# Allegro board RK3588_Template_LP4XD200P232SD10_32R6X52R0_2133MHz_H0R80_V10_20230220.brd (continued)
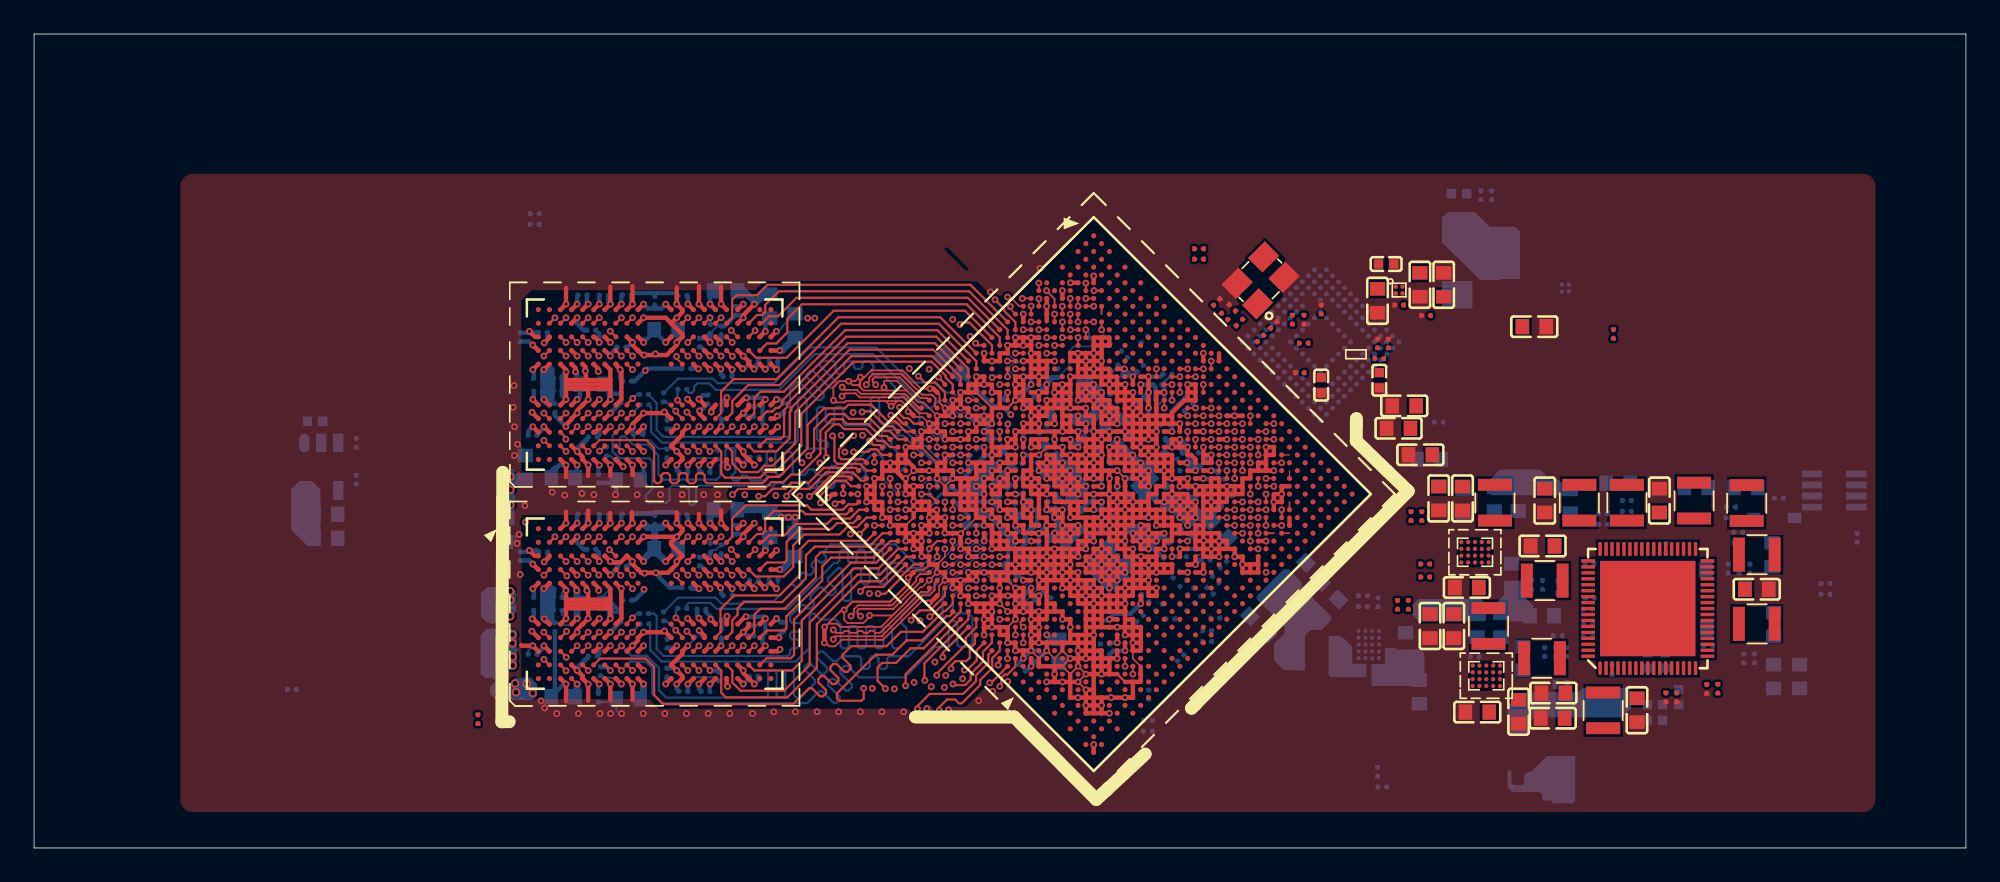
[diagram p0: board, top side]
## Routing (per net, layer and track width the routed paths; a pad name or vN(x,y) marks a point on that pad's centre or on a via; arc(x,y) is an arc through that point) (continued)
DDR_CH1_LP4/4X_CS1_D: length 20.1
  TOP w0.127: U1000.D19 56.28,27.68 v1(56.23,27.62) ; U3801.R3 v1(39.02,24.74)
  L4-S1 w0.094: v1(56.23,27.62) 56.23,27.61 55.68,27.61 54.24,26.16 53.59,25.52 53.33,25.52 53.13,25.72 52.32,25.72 51.51,24.91 45.09,24.91 44.26,24.07 39.69,24.07 v1(39.02,24.74)
DDR_RESET: length 65.5
  TOP w0.127: U3800.T11 v1(39.67,18.27) ; U3801.T11 v1(39.67,31.14) ; U1000.T4 v1(54.84,15.27)
  L6-S2 w0.089: 51.42,12.55 52.41,12.55 53.76,13.9 53.76,14.63 54.25,15.12 54.26,15.12 54.41,15.27 v1(54.84,15.27)
  L6-S2 w0.094: v1(39.67,31.14) 39.25,31.56 31.09,31.56 30.8,31.85 30.01,31.85 28.58,30.43 28.58,24.16 28.9,23.84 28.9,20.89 30.31,19.48 39.22,19.48 39.35,19.34 39.35,18.72 39.67,18.4 v1(39.67,18.27) 38.88,17.48 37.77,17.48 37.39,17.11 37.39,16.14 37.38,16.13 37.38,15.88 38.01,15.26 38.01,12.6 38.06,12.55 38.06,10.26 38.26,10.05 41.75,10.05 42.34,10.64 47.06,10.64 48.97,12.55 51.42,12.55
  BOTTOM w0.127: C3844.1 39.69,18.25 v1(39.67,18.27) ; v1(39.67,31.14) 39.69,31.12 C3888.1
EXT5V_PWREN_H: length 0.5
  TOP w0.084: U1000.AK26 v1(71.84,18.48)
EXT_FUNC_CTRL1: length 0.5
  TOP w0.102: 72.76,18.48 U1000.AL26
EXT_FUNC_CTRL2: length 0.5
  TOP w0.089: U1000.AJ26 71.84,19.4 v1(71.84,19.4)
EXT_FUNC_CTRL3: length 0.5
  TOP w0.102: v1(72.3,19.86) U1000.AJ27
EXT_FUNC_IO1: length 0.5
  TOP w0.102: U1000.AJ28 v1(72.3,20.78)
EXT_FUNC_IO2: length 0.5
  TOP w0.089: U1000.AJ25 v1(71.39,18.94)
FAN_N: length 0.5
  TOP w0.089: U1000.AL24 v1(71.84,17.56)
GAUGE_ALRT: length 0.5
  TOP w0.102: U1000.AE31 v1(71.84,23.08)
I2C0_SCL_M2: length 0.5
  TOP w0.102: U1000.W30 v1(69.09,25.84)
I2C0_SDA_M2: length 0.5
  TOP w0.102: U1000.W29 v1(68.63,25.38)
I2C1_SCL_M2: length 0.8
  TOP w0.102: U1000.V29 v1(68.17,25.84)
  BOTTOM w0.089: v1(68.17,25.84) 67.97,26.03 R3828.2
I2C1_SDA_M2: length 0.8
  TOP w0.102: U1000.V28 v1(67.71,25.38)
  BOTTOM w0.089: 67.52,25.68 67.52,25.57 v1(67.71,25.38)
I2C2_SCL_M4_MIPI: length 1.1
  TOP w0.089: v1(57.14,32.35) 57.29,32.35 57.83,31.81 U1000.A25
I2C2_SDA_M4_MIPI: length 0.6
  TOP w0.089: v1(57.3,31.8) 57.3,31.65 57.59,31.35
I2C3_SCL_M0: length 1
  TOP w0.102: v1(61.73,30.43) U1000.G27
  BOTTOM w0.089: v1(61.73,30.43) 61.91,30.26 R3840.2
I2C3_SDA_M0: length 1
  TOP w0.102: U1000.G29 v1(62.65,30.43)
  BOTTOM w0.089: R3839.2 62.77,30.31 v1(62.65,30.43)
I2C4_SCL_M1: length 0.5
  TOP w0.084: U1000.AB30 v1(70.46,24.46)
I2C4_SDA_M1: length 0.5
  TOP w0.084: U1000.AB31 v1(70.92,24.92)
I2C5_SCL_M0_MIPI: length 0.5
  TOP w0.089: U1000.AJ24 v1(70.93,18.48)
I2C5_SDA_M0_MIPI: length 0.5
  TOP w0.089: U1000.AH24 v1(70.46,18.94)
I2C6_SDA_M0: length 0.5
  TOP w0.102: U1000.V31 68.63,27.22 v1(68.63,27.22)
I2C7_SCL_M0: length 0.5
  TOP w0.089: U1000.F26 v1(60.35,29.97)
I2C7_SDA_M0: length 0.4
  TOP w0.089: U1000.F27 v1(60.82,30.43)
I2C8_SCL_M1: length 0.5
  TOP w0.102: U1000.AE32 v1(72.76,24)
I2S0_LRCK: length 0.4
  TOP w0.102: U1000.D30 v1(61.73,33.17)
I2S0_MCLK: length 0.5
  TOP w0.089: 62.65,31.81 U1000.F30
  TOP w0.102: 62.65,31.35 62.65,31.81
I2S0_SCLK: length 0.4
  TOP w0.102: v1(62.21,32.73) U1000.E31
I2S0_SDI0: length 0.5
  TOP w0.102: 60.81,31.81 v1(60.81,32.27)
I2S0_SDO0: length 0.5
  TOP w0.102: U1000.E29 v1(62.19,31.81)
I2S2_SCLK_M0_BT: length 0
  TOP w0.089: U1000.AD34 72.76,25.38
I2S2_SDI_M0_BT: length 0.5
  TOP w0.089: U1000.AD30 v1(71.38,23.54)
IMU_CLK: length 0.5
  TOP w0.102: U1000.E28 v1(61.27,30.89)
LCD_BL_PWM1: length 0.5
  TOP w0.102: U1000.R30 v1(67.25,27.68)
LCD_BL_PWM2: length 0.5
  TOP w0.102: v1(66.33,25.83) 66.33,25.98 U1000.T28
LCD_ID1: length 0.5
  TOP w0.102: v1(70.92,19.4) U1000.AH25
LCD_ID2: length 0.5
  TOP w0.102: U1000.AG26 v1(70.92,20.32)
MIPI_CAM0_PWREN_H: length 0.5
  TOP w0.102: v1(58.97,30.43) U1000.D25
MIPI_CAM1/2_RESET_L: length 0.5
  TOP w0.102: v1(58,32.27) U1000.A26
MIPI_CAM1_CLKOUT: length 0.5
  TOP w0.102: U1000.E26 v1(60.35,30.89)
MIPI_CAM1_PDN_L: length 0.5
  TOP w0.102: 58.97,30.89 U1000.C25 v1(58.51,30.89)
MIPI_CAM1_PWREN_H: length 0.5
  TOP w0.102: U1000.D26 v1(59.89,31.35)
MIPI_CAM2_CLKOUT: length 0.5
  TOP w0.102: 60.81,30.89 v1(60.81,31.35)
MIPI_CAM2_PDN_L: length 1.1
  TOP w0.102: v1(59.42,32.73) 59.4,32.73 59.4,32.73 59.89,32.25 U1000.C27
MIPI_CAM3/4_RESET_L: length 0.5
  TOP w0.084: U1000.AD33 v1(72.76,24.92)
MIPI_CAM3_CLKOUT: length 0.5
  TOP w0.102: U1000.F24 v1(59.43,29.05)
MIPI_CAM4_CLKOUT: length 0.5
  TOP w0.102: v1(59.89,29.51) U1000.F25
MIPI_CSI1_RX_CLK0P: length 0.5
  TOP w0.069: U1000.AJ31 73.68,22.16
MIPI_CSI1_RX_D0N: length 0.5
  TOP w0.069: U1000.AG32 73.68,23.08
MIPI_CSI1_RX_D0P: length 0.5
  TOP w0.069: U1000.AG31 v1(73.22,22.62)
MIPI_RST1_L: length 0.5
  TOP w0.102: U1000.Y29 68.63,24.92 v1(69.09,24.92)
MIPI_RST2_L: length 0.5
  TOP w0.102: U1000.Y27 v1(67.71,24.46)
MIPI_TE2: length 0.5
  TOP w0.102: U1000.Y30 v1(69.54,25.38)
NRF52832_GPIO6: length 0.5
  TOP w0.102: v1(58.51,31.82) U1000.B25
NRF52832_GPIO11: length 0.4
  TOP w0.084: U1000.B26 58.97,32.25 v1(58.97,32.25)
PCIEX1_0_CLKREQN_M2_L: length 0.5
  TOP w0.102: v1(59.43,29.97) U1000.E25
PCIEX1_0_PERSTN_M2_L: length 0.5
  TOP w0.102: U1000.E24 v1(58.97,29.51)
PCIEX1_0_WAKEN_M2_L: length 0.5
  TOP w0.102: U1000.D27 v1(60.35,31.81)
PDM0_CLK0_M0: length 0.5
  TOP w0.102: v1(61.27,31.81) 61.27,32.27 U1000.D29
PDM0_CLK1_M0: length 0.5
  TOP w0.089: U1000.E30 61.73,32.27
  TOP w0.102: 61.73,32.27 v1(61.73,32.27)
PDM0_SDI0_M0: length 0.5
  TOP w0.089: 61.27,29.51 v1(61.27,29.97)
PDM0_SDI2_M0: length 0.5
  TOP w0.089: U1000.F28 v1(62.19,30.89)
PMIC_PWR_CTRL2: length 0.5
  TOP w0.102: U1000.T30 v1(67.25,26.75)
PMIC_PWR_CTRL3: length 0.5
  TOP w0.102: U1000.T32 v1(68.63,28.13)
PRO_INT_N: length 0.5
  TOP w0.084: U1000.AC32 v1(71.38,25.38)
PWM1_M1: length 0.5
  TOP w0.089: U1000.AK25 v1(71.38,18.02)
RETURN_C: length 0.4
  TOP w0.102: v1(58.97,33.17) U1000.A27 58.97,32.73
SID_LD: length 0.5
  TOP w0.089: U1000.AA28 68.63,24
  TOP w0.102: 68.63,24 v1(69.09,24)
SID_LU: length 0.5
  TOP w0.102: 70.92,22.62 v1(70.92,22.16)
SID_RD: length 0.5
  TOP w0.089: v1(72.76,21.24) U1000.AH29
SID_RU: length 0.5
  TOP w0.089: U1000.AG28 v1(71.38,20.78)
SPI0_CLK_M3: length 0.5
  TOP w0.089: 69.54,19.4 v1(70,19.4)
SPI0_CS0_M3: length 0.5
  TOP w0.089: U1000.AA27 v1(68.17,24)
SPI0_MOSI_M3: length 0.5
  TOP w0.089: 70,19.86 v1(70.46,19.86)
SPI4_CLK_M1: length 0.5
  TOP w0.089: 69.54,22.16 v1(69.54,22.62)
SPI4_CS0_M1: length 0.5
  TOP w0.089: U1000.AE27 v1(70,22.16)
SPI4_MISO_M1: length 0.5
  TOP w0.089: 69.09,24.46 U1000.AA29
  TOP w0.102: v1(69.54,24.46) 69.09,24.46 U1000.AA29
SPI4_MOSI_M1: length 0.5
  TOP w0.102: U1000.AA30 v1(70,24.92)
SPK_CTL_H: length 0.5
  TOP w0.089: U1000.AD32 v1(72.3,24.46)
TYPEC0_SBU1_DC: length 0.5
  TOP w0.089: U1000.AL27 v1(73.22,18.94)
TYPEC0_SBU2_DC: length 0.5
  TOP w0.089: U1000.AM27 73.68,18.48
TYPEC1_OTG_DM: length 0.5
  TOP w0.102: U1000.AL9 v1(64.49,10.21)
TYPEC1_OTG_DP: length 0.5
  TOP w0.102: U1000.AK9 v1(64.03,10.67)
UART0_RX_M2: length 0.5
  TOP w0.102: v1(73.22,19.86) U1000.AL28
UART0_TX_M2: length 0.5
  TOP w0.089: 73.68,19.86 73.68,20.32
UART2_RX_M0_DEBUG: length 0.5
  TOP w0.102: U1000.R29 66.79,27.22 v1(66.79,27.22)
UART2_TX_M0_DEBUG: length 0.5
  TOP w0.102: U1000.P29 v1(65.87,28.13)
UART9_RX_M0_BT: length 0.5
  TOP w0.089: U1000.AC30 v1(70.92,24)
UART9_TX_M0_BT: length 0.5
  TOP w0.089: U1000.AD31 v1(71.84,24)
VSYNC_SLAVE: length 0.5
  TOP w0.102: v1(58.05,30.43) U1000.C24 58.51,30.43
WIFI_REG_ON_H: length 0.5
  TOP w0.102: v1(68.17,27.67) 67.71,27.67 U1000.T31
N18110066: length 0.8
  TOP w0.089: U1000.AF20 v1(67.7,18.02)
  BOTTOM w0.089: C3988.1 67.96,18.28 v1(67.7,18.02)
N18110122: length 0.8
  TOP w0.089: U1000.AF19 v1(66.79,17.1)
  BOTTOM w0.089: C3989.1 66.79,17.11 v1(66.79,17.1)
N19366700: length 1
  TOP w0.089: U1000.G8 v1(52.54,21.24)
  BOTTOM w0.089: R1202.1 52.54,20.77 v1(52.54,21.24)
N23213062: length 1
  TOP w0.127: U1000.F18 v1(57.14,26.76)
  BOTTOM w0.089: R1203.1 56.94,26.31
  BOTTOM w0.254: v1(57.14,26.76) 57.14,26.63 56.94,26.44 R1203.1
N24141374: length 1.6
  TOP w0.119: U1000.H7 52.54,20.78 v1(52.08,20.78)
  BOTTOM w0.084: v1(52.08,20.78) 52.08,20.33 R1201.1
N63228233: length 0.9
  TOP w0.102: U3801.T2 v1(39.67,23.29)
  BOTTOM w0.084: R3817.1 39.72,23.34 v1(39.67,23.29)
N63228239: length 0.9
  TOP w0.102: U3801.G2 v1(33.19,23.31)
  BOTTOM w0.127: v1(33.19,23.31) 33.41,23.53 R3816.2
N63228245: length 1
  TOP w0.254: U3801.A5 v1(29.27,26.34)
  BOTTOM w0.254: v1(29.27,26.34) 29.33,26.4 R3818.2
N63228247: length 1
  TOP w0.254: U3801.A8 v1(29.27,28.09)
  BOTTOM w0.254: R3819.2 29.33,28.02 v1(29.27,28.09)
N63380732: length 1
  TOP w0.102: U3800.T2 v1(39.67,10.42)
  BOTTOM w0.254: R3807.1 40.09,10.42 v1(39.67,10.42)
N63380738: length 1.1
  TOP w0.102: U3800.G2 v1(33.82,10.42)
  BOTTOM w0.254: R3806.2 33.62,10.63 v1(33.82,10.42)
N63380744: length 1
  TOP w0.254: U3800.A5 29.3,13.45 v1(29.23,13.45)
  BOTTOM w0.254: R3809.2 29.33,13.55 v1(29.23,13.45)
N63380746: length 1
  TOP w0.254: U3800.A8 v1(29.27,15.22)
  BOTTOM w0.254: R3810.2 29.33,15.16 v1(29.27,15.22)
N65887084: length 1.2
  TOP w0.254: U1000.W8 v1(58.05,15.72)
  BOTTOM w0.089: R1200.1 57.78,16
  BOTTOM w0.254: v1(58.05,15.72) 57.78,16 R1200.1

## Copper pours and planes (outline as drawn; the poured copper is in the pictures)
GND on TOP: 9.33,2.1 8.8,2.32 8.58,2.85 8.58,38.85 8.8,39.37 9.33,39.59 107.33,39.59 107.86,39.37 108.08,38.85 108.08,2.85 107.86,2.32 107.33,2.1 ; 2 cut-outs
GND on BOTTOM: 9.33,2.1 8.8,2.32 8.58,2.85 8.58,38.85 8.8,39.37 9.33,39.59 107.33,39.59 107.86,39.37 108.08,38.85 108.08,2.85 107.86,2.32 107.33,2.1 ; 8 cut-outs
GND on L2-GND1, L4-S1, L5-GND2, L7-GND3, L8_S3: 9.33,2.1 8.8,2.32 8.58,2.85 8.58,38.85 8.8,39.37 9.33,39.59 107.33,39.59 107.86,39.37 108.08,38.85 108.08,2.85 107.86,2.32 107.33,2.1
GND on L3-POWER1: 9.33,2.1 8.8,2.32 8.58,2.85 8.58,38.85 8.8,39.37 9.33,39.59 107.33,39.59 107.86,39.37 108.08,38.85 108.08,2.85 107.86,2.32 107.33,2.1 ; 1 cut-out
GND on L9_GND4: 9.33,2.1 8.8,2.32 8.58,2.85 8.58,38.85 8.8,39.37 9.33,39.59 107.33,39.59 107.86,39.37 108.08,38.85 108.08,2.85 107.86,2.32 107.33,2.1 ; 2 cut-outs
VBUS5V0_TYPEC on L5-GND2: 105.03,25.99 105.03,22.8 105.57,22.26 107.05,22.26 107.1,22.31 107.1,31.98 102.39,36.68 99.96,36.68 99.38,36.1 99.38,31.64
VBUS5V0_TYPEC on L7-GND3: 100.29,36.9 99.66,36.27 99.66,35.22 104.21,30.67 104.21,22.07 104.47,21.82 106.45,21.82 106.59,21.96 106.59,32.27 106.89,32.56 107.56,32.56 107.73,32.72 107.73,33.07 107.6,33.19 106.93,33.19 106.82,33.3 106.82,33.58 103.51,36.9
VCC_1V8_S0 on L3-POWER1: 58.67,14.77 58.67,15.08 61.15,17.55 68.72,17.55 69.24,17.02 69.24,16.5 68.18,15.44 67.95,15.44 67.76,15.63 67.76,15.99 67.48,16.27 63.28,16.27 61.59,14.57 58.87,14.57
VCC_1V8_S0 on L4-S1: 64.42,27.14 64.42,28.65 66.57,30.79 66.57,31.47 66.42,31.61 65,31.61 64.56,31.17 63.79,31.17 62.27,29.65 60.88,29.65 58.7,27.47 58.7,26.72 59.06,26.36 62.48,26.36 63.38,25.46 66.8,25.46 67.96,26.61 69.37,26.61 69.56,26.8 69.56,27.58 69.36,27.77 66.78,27.77 66.01,27.01 64.56,27.01
VCC_1V8_S0 on L8_S3: 67.52,24.31 65.28,24.31 61.57,28.02 58.16,28.02 57.05,26.91 57.05,24.55 60.38,21.22 68.85,21.22 69.03,21.41 69.03,22.81
VCC_1V8_S3 on BOTTOM (solid shape): 28.2,22.18 28.2,18.97 27.24,18.97 27.24,22.25 28.13,22.25
VCC_1V8_S3 on L4-S1: 104.07,13.01 100.45,9.38 99.03,9.38 98.05,10.36 98.05,13.81 98.34,14.1 98.6,14.1 98.74,13.95 100.98,13.95 101.65,14.62 101.65,23.59 100.03,25.2 100.03,26.58 99.11,27.5 99.11,31.16 95.13,35.14 90.99,35.14 89.52,33.67 89.52,30.74 90.97,29.29 90.97,28.91 90.65,28.59 85.29,28.59 84.56,27.86 76.29,27.86 71.66,32.49 41.92,32.49 40.9,31.47 38.06,31.47 38.01,31.42 38.01,30.96 38.17,30.8 38.58,30.8 40.12,29.27 40.12,28.79 39.96,28.64 39.56,28.64 38.73,29.47 34.53,29.47 34.25,29.19 34.25,29.02 33.96,28.73 29.92,28.73 29.65,28.46 29.65,26.91 30.04,26.52 39.64,26.52 39.95,26.21 39.95,25.4 39.82,25.27 38.93,25.27 38.4,25.8 38.27,25.8 38.05,25.58 38.05,23.09 39.49,23.09 39.95,22.62 39.95,22.15 39.8,22 37.27,22 36.8,22.47 36.8,23.83 34.9,25.73 34.33,25.73 33.91,25.3 33.91,22.41 33.65,22.16 32.23,22.16 31.94,22.44 31.94,23.86 31.52,24.28 30.89,24.28 30.78,24.18 30.78,21.83 32.1,20.51 39.78,20.51 40.25,20.05 40.25,19.03 39.94,18.73 39.82,18.73 39.78,18.76 38.17,18.76 38.05,18.63 38.05,18.35 39.01,17.38 40,17.38 40.28,17.11 40.28,16.12 40.29,16.1 40.29,15.88 40.2,15.79 39.2,15.79 38.55,16.44 34.63,16.44 34.63,16.04 34.42,15.83 30.39,15.83 29.71,15.16 29.71,14.03 30.13,13.61 34.11,13.61 34.13,13.59 38.77,13.59 40.29,12.07 40.29,9.51 40.01,9.24 36.78,9.24 36.6,9.42 36.6,12.09 35.79,12.9 34.43,12.9 34.34,12.8 34.34,9.31 34.24,9.21 32.33,9.21 31.93,9.61 31.93,10.98 31.45,11.46 31.04,11.46 30.92,11.34 30.92,10.61 30.57,10.26 26.15,10.26 25.6,10.81 21.94,10.81 21.2,11.55 21.2,12.69 21.48,12.97 25.26,12.97 26.51,14.22 26.51,29.99 32.17,35.65 68.67,35.65 68.69,35.63 85.2,35.63 86.76,37.2 97.17,37.2 104.07,30.29 104.07,29.12 102.1,29.12 101.43,28.44 101.43,26.56 101.82,26.17 103.55,26.17 104.07,25.65 ; 1 cut-out
VCC_1V8_S3 on L7-GND3: 74.63,32.06 69.25,32.06 64.94,27.74 64.94,26.01 66.68,24.26 67.34,24.26 73.58,30.5 74.15,30.5 74.79,31.14 74.79,31.9
VCC_3V3_S0 on L7-GND3: 69.62,21.85 69.1,21.85 67.71,23.24 67.71,24.25 73.84,30.39 74.28,30.39 77.64,33.74 79.28,33.74 79.45,33.57 79.45,32.64 73.17,26.36 73.17,25.39
VCC_3V3_S3 on L3-POWER1 (solid shape): 90.65,8.2 91.06,8.2 91.16,8.11 91.16,7.52 90.79,7.16 89.74,7.16 89.43,7.46 89.43,7.98 89.66,8.21 90.65,8.21
VCC_5V0 on BOTTOM (solid shape): 16.82,21.04 16.82,17.75 16.8,17.73 16.06,17.73 15.08,18.71 15.08,21.06 15.56,21.54 16.32,21.54
VCC_5V0 on L9_GND4: 80.26,31.26 84.03,31.26 84.34,31.58 84.34,33.51 82.34,35.51 80.92,35.51 78.23,38.21 38.43,38.21 36.03,35.81 27.74,35.81 14.92,22.98 14.92,18.67 15.11,18.48 20.41,18.48 26.07,24.14 26.07,28.22 31.39,33.54 45.69,33.54 47.46,35.32 76.2,35.32
VCC_SYSIN on BOTTOM (solid shape): 80.01,11.63 80.97,11.63 81.04,11.7 81.36,11.7 81.36,11.67 81.59,11.44 81.59,9.87 81.23,9.51 78.5,9.51 78.5,10.79 79.25,10.79 79.3,10.84 79.3,11.7 79.34,11.73 79.91,11.73
VCC_SYSIN on L3-POWER1: 91.84,8.87 92.76,7.95 100.88,7.95 101.16,8.24 101.16,17.28 100.34,18.1 97.94,18.1 97.32,17.48 95.25,17.48 95.13,17.6 95.13,18.17 95.36,18.4 95.36,19.78 95,20.13 86.82,20.13 84.97,18.28 84.97,16.61 84.65,16.29 84.65,14.24 84.05,13.64 82.18,13.64 80.11,11.57 80.11,10.81 80.37,10.55 81.41,10.55 83.17,8.79 87.18,8.79 87.25,8.87
VCC_SYSIN on L4-S1: 91.14,34.86 94.75,34.86 98.91,30.71 98.91,27.49 99.9,26.49 99.9,25.22 101.52,23.6 101.52,14.89 100.92,14.29 98.78,14.29 98.71,14.36 96.83,14.36 96.41,14.78 96.41,16.77 96.04,17.14 93.05,17.14 92.87,17.32 92.87,17.99 92.53,18.33 92.53,22.65 91.03,24.15 89.09,24.15 88.95,24.28 88.95,28.29 90.72,28.29 91.26,28.83 91.26,29.17 89.79,30.64 89.79,33.52
VCCA_1V8_S0 on L6-S2: 58.45,24.38 58.06,24.38 57.12,23.44 57.12,20.78 57.78,20.12 61.86,20.12 63.04,21.3 63.04,23.32 64.84,25.12 64.84,27.98 64.3,28.52 62.59,28.52
VCCA_1V8_S0 on L8_S3: 58.39,21.19 57.27,21.19 56.98,20.91 56.98,16.75 60.74,12.99 63.43,12.99 63.6,13.16 63.6,13.87 59.07,18.41 59.07,20.51
VDD2_DDR_S3 on BOTTOM (solid shape): 28.28,15.08 28.28,13.8 27.68,13.21 26.63,13.21 26.25,13.59 26.25,15 26.57,15.32 28.04,15.32
VDD2_DDR_S3 on L5-GND2: 55.89,33.8 57.29,32.4 57.29,24.69 56.84,24.24 56.84,20.34 57.22,19.96 58.21,19.96 60.06,18.11 63.88,18.11 65.59,16.4 71.3,16.4 72.74,14.96 74.92,14.96 75.17,14.71 83.48,14.71 85.74,12.45 88.27,12.45 90.33,14.51 95.97,14.51 96.68,15.21 96.68,16.25 97.3,16.88 99.73,16.88 101.94,19.09 102.2,19.09 102.54,18.74 102.54,16.71 101.01,15.17 101.01,13.32 96.36,8.67 77,8.67 74.56,11.12 70.86,11.12 68.1,13.88 67.8,13.88 66.33,12.41 59.31,12.41 54.36,7.46 29.25,7.46 27.26,9.44 27.26,32.79 28.27,33.8
VDD_0V75_S0 on L5-GND2: 58.52,27.54 59.06,27.54 60.87,25.73 60.87,25.18 63.39,22.66 65.87,22.66 66.18,22.97 67.72,22.97 67.95,22.74 67.95,21.73 66.91,20.69 63.28,20.69 60.37,23.6 60.37,24.96 59.95,25.38 59.3,25.38 58.3,26.38 58.3,27.32
VDD_CPU_BIG0_S0 on BOTTOM (solid shape): 74.43,15.55 74.43,15.28 76.12,13.59 76.12,13.37 75.54,12.79 74.91,12.79 74.59,12.47 74.59,10.44 74.59,10.44 73.34,10.44 72.77,11.01 72.77,11.98 73.38,12.6 73.38,13 71.75,14.63 71.75,14.79 73.33,16.36 73.62,16.36
VDD_CPU_BIG0_S0 on L3-POWER1: 59.68,24.44 58.63,23.39 58.63,20.4 61.31,17.73 70.17,17.73 72.39,15.51 72.39,15.01 73.52,13.88 75.98,13.88 77.92,15.82 77.92,17.97 71.45,24.44
VDD_CPU_BIG0_S0 on L7-GND3: 72,15.9 73.2,15.9 74.12,14.98 74.12,13.15 73.83,12.86 68.52,12.86 65.55,15.83 65.29,15.83 62.21,18.91 62.21,19.18 60.15,21.24 59.42,21.24 58.85,21.81 58.85,22.39 59.26,22.8 61.38,22.8 68.14,16.04 71.86,16.04
VDD_CPU_BIG1_S0 on L5-GND2: 61.29,27.41 61.07,27.18 61.07,25.28 61.66,24.69 61.9,24.69 63.35,23.24 71.09,23.24 72.05,22.27 78.54,22.27 80.11,20.71 83.89,20.71 84.18,21 84.18,24.64 83.05,25.76 83.05,27.13 84.41,28.49 84.41,31.33 81.03,34.71 70.73,34.71 70.07,34.05 65.34,34.05 61.75,30.45 61.75,30.02 61.29,29.56
VDD_CPU_LIT_S0 on L9_GND4: 65.37,20.61 64.85,20.61 62.73,22.73 62.73,26.32 66.51,30.1 92.79,30.1 100.48,22.41 100.48,21.26 99.99,20.76 93.22,20.76 90.7,23.28 79.15,23.28 78.06,24.37 73.21,24.37 72.12,23.28 68.04,23.28 68.03,23.28 67.18,23.28 66.96,23.05 66.96,22.2
VDD_DDR_S0 on L7-GND3: 59.36,20.38 58.47,19.5 56.54,19.5 55.59,20.45 55.59,25.29 58.41,28.1 62.35,28.1 69.29,21.16 72.57,21.16 74.54,23.13 91.89,23.13 92.22,22.8 94.1,22.8 94.97,21.93 94.97,21.36 86.64,13.03 76.36,13.03 73.25,16.15 68.19,16.15 61.4,22.94 59.35,22.94 58.86,22.45 58.86,21.74 59.36,21.25
VDD_GPU_S0 on BOTTOM (solid shape): 88.98,21.63 89.48,21.63 89.69,21.42 90.39,21.42 90.61,21.2 90.61,20.77 90.55,20.71 85.55,20.71 85.32,20.94 85.32,21.5 86.04,22.23 88.38,22.23
VDD_GPU_S0 on L4-S1: 66.24,14.69 62.04,14.69 61.26,15.46 61.26,25.04 61.59,25.36 67.05,25.36 68.09,26.4 70.3,26.4 71.2,27.31 73.26,27.31 74.29,26.27 82.24,26.27 84.37,24.14 86.92,24.14 88.41,22.65 89.49,22.65 89.99,22.15 89.99,20.57 89.71,20.29 81.92,20.29 81.21,21.01 66.51,21.01 65.82,20.32 65.82,18.87 66.4,18.28 66.4,14.85
VDD_GPU_S0 on L9_GND4: 61.53,16.48 61.53,18.26 63.56,20.3 65.58,20.3 66.46,21.18 67.01,21.18 67.74,21.9 72.18,21.9 72.18,22.06 73.78,23.66 77.47,23.66 78.88,22.24 89.64,22.24 90.3,21.59 90.3,19.7 88.95,18.36 88.95,14.5 88.1,13.65 76.25,13.65 75.06,12.47 65.54,12.47
VDD_LOG_S0 on BOTTOM (solid shape): 87.4,15.53 87.4,14.82 88.01,14.21 88.01,13.39 87.91,13.29 86.63,13.29 86.48,13.44 85.72,13.44 85.64,13.52 85.64,14.22 86.29,14.87 86.29,15.67 87.27,15.67
VDD_LOG_S0 on L5-GND2: 59.9,25.17 59.18,25.17 58.48,24.48 58.48,20.08 60.25,18.31 63.85,18.31 65.59,16.58 71.27,16.58 72.74,15.11 75.01,15.11 75.29,14.83 83.81,14.83 85.72,12.92 87.63,12.92 87.98,13.27 87.98,15.38 85.56,17.8 83.23,17.8 82.11,18.91 68.35,18.91 66.72,20.55 63.17,20.55 60.25,23.47 60.25,24.81
VDD_NPU_S0 on BOTTOM (solid shape): 85.21,14.33 85.21,13.41 85.13,13.32 83.69,13.32 83.67,13.34 81.25,13.34 80.93,13.66 80.93,14.29 81.27,14.63 84.92,14.63
VDD_NPU_S0 on L4-S1: 80.88,20.98 66.65,20.98 65.97,20.29 65.97,19.47 69.17,16.26 69.17,15.85 71.45,13.58 83.48,13.58 84.05,14.14 84.05,17.81
VDD_VDENC_S0 on L7-GND3: 59.23,20.15 59.27,20.2 60.92,20.2 61.96,19.16 61.96,18.5 64.25,16.21 64.25,13.04 66.56,10.73 94.29,10.73 94.81,10.21 97.18,10.21 99.85,12.88 102.27,12.88 103.25,11.9 103.25,10.89 102.66,10.3 102.66,7.89 101.32,6.55 76.15,6.55 76.15,6.55 75.04,6.55 74.68,6.19 65.68,6.19 59.23,12.64
VDDA_0V85_S0 on L3-POWER1: 64.65,28.82 63.58,28.82 63.4,28.64 61.16,28.64 56.99,24.47 56.99,18.62 57.52,18.09 57.52,13.32 58.1,12.74 62.2,12.74 63.07,13.61 65.65,13.61 65.74,13.69 65.74,14.08 65.61,14.2 65.08,14.2 65.07,14.19 62.6,14.19 62.35,13.95 61.94,13.95 61.48,14.41 58.97,14.41 58.66,14.72 58.66,15.48 59.18,16 59.18,19.44 58.58,20.04 58.58,23.89 61.94,27.26 63.95,27.26 64.72,28.03 64.72,28.74
VDDQ_DDR on BOTTOM (solid shape): 28.34,12.73 28.34,10.86 27.48,9.99 26.45,9.99 26.19,10.25 26.19,12.5 26.54,12.85 28.22,12.85
VDDQ_DDR on BOTTOM (solid shape): 30.54,15.31 30.54,13.17 30.53,13.16 29.95,13.16 29.7,13.41 29.7,15.31 29.85,15.46 30.39,15.46
VDDQ_DDR on BOTTOM (solid shape): 30.55,28.14 30.55,25.99 30.55,25.99 29.97,25.99 29.72,26.24 29.72,28.14 29.86,28.29 30.41,28.29
VDDQ_DDR on L3-POWER1: 29.24,32.12 27.22,30.11 27.22,16.79 26.39,15.95 26.39,7.99 56.9,7.99 57.43,8.53 57.43,17.84 56.91,18.36 56.91,24.62 58.11,25.82 58.11,30.87 56.86,32.12
VDDQ_DDR_S0 on BOTTOM (solid shape): 29.53,9.63 29.53,8.95 29.27,8.7 27.11,8.7 26.76,9.05 26.76,9.46 26.95,9.65 27.91,9.65 28.26,10.01 29.15,10.01
VDDQ_DDR_S0 on L4-S1: 57.32,11.88 53.76,8.33 35.72,8.33 35.38,8.67 31.21,8.67 29.94,9.93 28.05,9.93 27.72,9.6 27.72,7.03 28.18,6.57 45.48,6.57 45.91,6.15 60.82,6.15 63.38,8.71 73.55,8.71 73.74,8.52 85.75,8.52 88.04,10.8 88.04,12.5 87.86,12.68 82.01,12.68 80.95,11.63 79.87,11.63 79,12.5 70.85,12.5 68.83,14.52 61.97,14.52 61.1,15.4 61.1,23.35 58.96,25.48 57.74,25.48 57.49,25.73 57.21,25.73 56.92,25.44 56.92,23.48 54.74,21.3 54.74,19.96 57.32,17.39
(no net) on L6-S2: 9.33,2.1 8.8,2.32 8.58,2.85 8.58,38.85 8.8,39.37 9.33,39.59 107.33,39.59 107.86,39.37 108.08,38.85 108.08,2.85 107.86,2.32 107.33,2.1
Net_1 on BOTTOM (solid shape): 93.73,9.18 93.73,8.2 93.21,7.67 88.05,7.67 87.88,7.51 87.88,7.03 87.5,6.65 86.47,6.65 86.47,8.33 87.21,9.07 87.5,9.07 87.57,9.14 90.66,9.14 90.92,9.41 93.51,9.41
Net_2 on BOTTOM (solid shape): 90.45,2.77 90.28,2.6 89.19,2.6 89,2.79 88.59,2.79 88.51,2.86 88.51,3.14 88.36,3.29 86.72,3.29 86.47,3.54 86.47,4.54 86.72,4.54 86.72,3.84 86.87,3.68 87.31,3.68 87.46,3.84 87.46,4.27 87.63,4.44 87.83,4.44 88.78,5.39 90.45,5.39
Net_3 on L3-POWER1: 101.02,32.7 96.03,32.7 94.87,33.86 90.17,33.86 89.32,33.01 89.32,30.12 90.61,28.83 101,28.83 102.19,30.03 102.19,31.53
Net_4 on L8_S3: 95.44,34.62 90.56,34.62 89.1,33.16 89.1,31.13 89.38,30.85 96.17,30.85 96.51,31.19 96.51,32.01 95.68,32.85 95.68,34.39
N17758921 on BOTTOM (solid shape): 77.36,11.81 77.36,10.84 77.38,10.82 78.12,10.82 78.21,10.73 78.21,10.08 78.16,10.03 76.11,10.03 75.98,10.16 75.98,12.13 76.2,12.35 76.82,12.35
N22893917 on BOTTOM (solid shape): 85.45,36.48 86.95,36.48 87.2,36.23 87.2,33.42 86.12,33.42 86.05,33.36 84.86,33.36 83.54,34.68 83.52,34.68 82.68,35.52 82.68,37.04 82.99,37.36 84.57,37.36
